# KiCad board armory.kicad_pcb
title: USB armory Mk II LAN; date: 2023-10-02; rev: β; company: WithSecure; note: Copyright (c) The USB armory authors; note: License: CERN-OHL-S; note: https://github.com/usbarmory/usbarmory
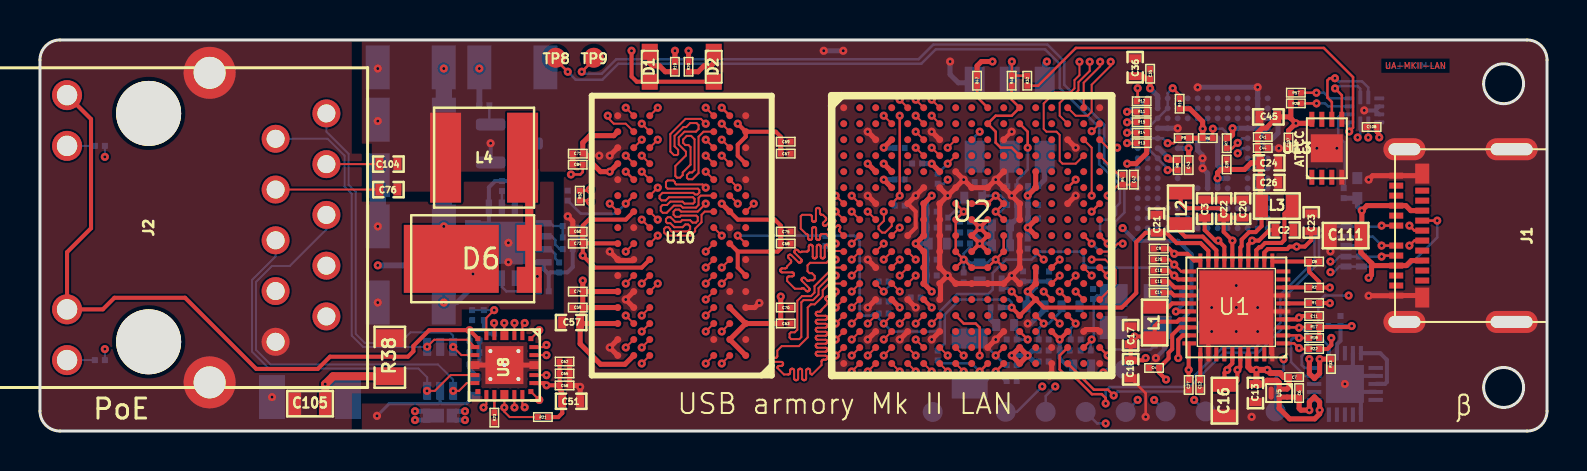
[diagram p0: board, top side]
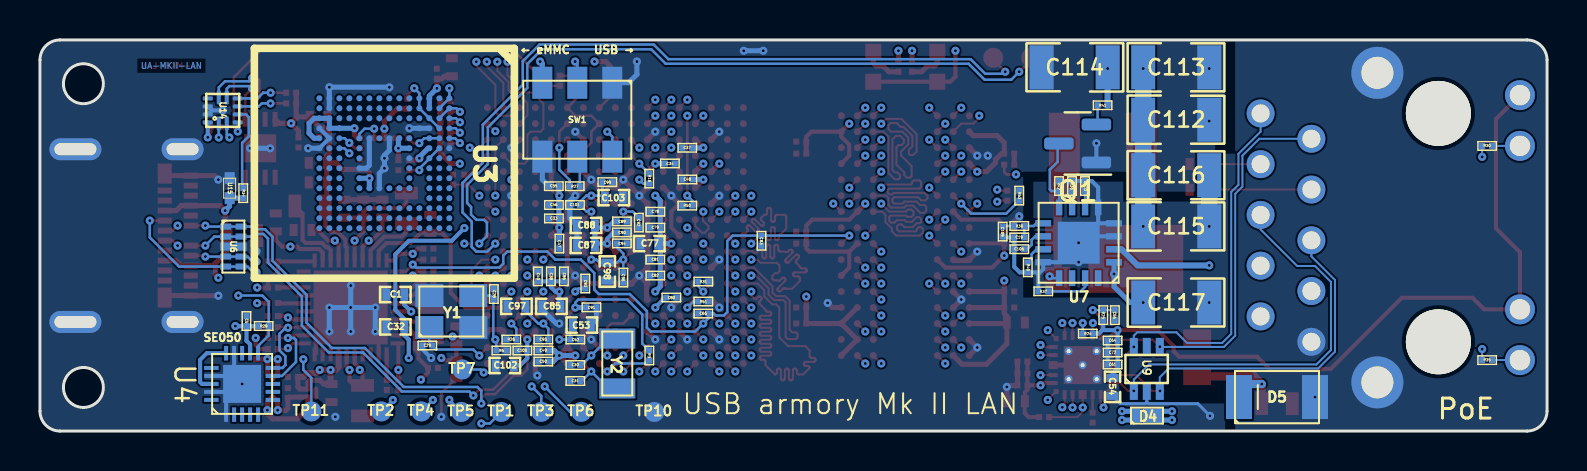
[diagram p1: board, bottom side, seen from below]

Outline 75.36 x 19.57 mm; copper layers: TOP, SIGNAL_1, GND_POWER_1 (plane), GND_POWER_2 (plane), SIGNAL_2, BOTTOM. Coordinates in mm from the lower left corner of the outline.
Outline path: circle c73.19,17.38 r1 ; circle c73.19,2.18 r1 ; 0,18.57 0,1 arc(0.29,0.29) 1,0 74.37,0 arc(75.07,0.29) 75.36,1 75.36,18.57 arc(75.07,19.28) 74.37,19.57 1,19.57 arc(0.29,19.28) 0,18.57
Stack: TOP 0.03mm / dielectric 0.121mm FR4 er 4.5 / SIGNAL_1 0.017mm / dielectric 0.125mm FR4 er 4.5 / GND_POWER_1 0.017mm / dielectric 0.116mm FR4 er 4.5 / GND_POWER_2 0.017mm / dielectric 0.125mm FR4 er 4.5 / SIGNAL_2 0.017mm / dielectric 0.121mm FR4 er 4.5 / BOTTOM 0.03mm

## Placement (name value [footprint] x y rotation side)
C1  4.7uF  [SM0402]  57.59 6.83 0 bottom
C2  4.7uF  [SM0402]  62.23 10.06 0 top
C3  4.7uF  [SM0402]  58.24 11.13 90 top
C4  1uF  [SM0201]  55.71 3.16 180 top
C5  0.1uF  [SM0201]  65.04 5.5 90 bottom
C6  0.1uF  [SM0201]  62.97 1.9 90 top
C7  0.1uF  [SM0201]  62.72 2.7 0 top
C8  1uF  [SM0201]  63.72 8.48 0 top
C9  1uF  [SM0201]  55.94 9.13 180 top
C10  1uF  [SM0201]  55.94 8.03 180 top
C11  0.1uF  [SM0201]  63.72 5.75 0 top
C12  0.1uF  [SM0201]  58.02 2.3 270 top
C13  2.2uF  [SM0402]  60.78 1.9 270 top
C14  1uF  [SM0201]  55.94 6.93 180 top
C15  1uF  [SM0201]  55.94 7.48 180 top
C16  47uF  [SM0603]  59.23 1.52 270 top
C17  10uF  [SM0402]  54.54 4.79 90 top
C18  10uF  [SM0402]  54.54 3.09 270 top
C19  47pF  [SM0201]  26.39 9.69 0 bottom
C20  10uF  [SM0402]  60.14 11.13 90 top
C21  10uF  [SM0402]  55.84 10.37 90 top
C22  10uF  [SM0402]  59.19 11.13 90 top
C23  4.7uF  [SM0402]  63.57 10.44 90 top
C24  10uF  [SM0402]  61.47 13.42 0 top
C25  1uF  [SM0201]  55.94 8.58 180 top
C26  10uF  [SM0402]  61.47 12.44 0 top
C27  0.47uF  [SM0201]  57.44 2.3 270 top
C28  16pF  [SM0201]  52.67 6.86 90 bottom
C29  16pF  [SM0201]  55.99 4.28 0 bottom
C30  18pF  [SM0201]  48.59 3.3 0 bottom
C31  18pF  [SM0201]  48.59 2.5 0 bottom
C32  10uF  [SM0402]  57.59 5.21 0 bottom
C33  0.22uF  [SM0201]  49.66 10.64 0 bottom
C34  0.22uF  [SM0201]  43.86 13.39 180 bottom
C35  0.1uF  [SM0201]  55.52 17.88 90 top
C36  4.7uF  [SM0402]  54.77 18.2 90 top
C37  0.22uF  [SM0201]  42.99 14.18 0 bottom
C38  1uF  [SM0201]  49.81 7.74 90 bottom
C39  0.1uF  [SM0201]  59.34 13.34 90 top
C40  0.1uF  [SM0201]  50.46 7.74 90 bottom
C41  0.1uF  [SM0201]  61.15 14.72 0 top
C42  18pF  [SM0201]  54.7 12.58 90 top
C43  0.1uF  [SM0201]  57.44 13.3 270 top
C44  0.1uF  [SM0201]  61.15 14.16 0 top
C45  10uF  [SM0402]  61.43 15.72 180 top
C46  0.22uF  [SM0201]  49.66 11.31 0 bottom
C47  0.22uF  [SM0201]  49.39 9.38 270 bottom
C48  0.22uF  [SM0201]  42.99 12.59 0 bottom
C49  1uF  [SM0201]  50.19 4.03 0 bottom
C50  1uF  [SM0201]  50.19 3.48 0 bottom
C51  10uF  [SM0402]  26.56 1.49 0 top
C52  0.1uF  [SM0201]  48.59 4.58 180 bottom
C53  10uF  [SM0402]  48.27 5.3 180 bottom
C54  10uF  [SM0402]  21.72 2.21 270 bottom
C55  0.22uF  [SM0201]  49.67 12.25 0 bottom
C56  0.1uF  [SM0201]  21.61 5.8 270 bottom
C57  22uF  [SM0402]  26.56 5.43 180 top
C58  1uF  [SM0201]  26.23 2.28 0 top
C59  0.22uF  [SM0201]  26.89 6.18 180 top
C60  0.22uF  [SM0201]  26.89 9.98 180 top
C61  1uF  [SM0201]  21.72 3.33 0 bottom
C62  0.1uF  [SM0201]  26.23 3.48 0 top
C63  0.22uF  [SM0201]  37.29 5.38 0 top
C64  0.1uF  [SM0201]  21.72 4.53 0 bottom
C65  0.01uF  [SM0201]  26.23 2.88 0 top
C66  0.22uF  [SM0201]  42.19 5.88 0 bottom
C67  0.22uF  [SM0201]  37.29 13.88 0 top
C68  0.22uF  [SM0201]  37.29 9.38 0 top
C69  0.22uF  [SM0201]  37.29 14.48 0 top
C70  0.22uF  [SM0201]  37.29 6.18 0 top
C71  0.22uF  [SM0201]  26.89 13.88 180 top
C72  0.01uF  [SM0201]  21.72 3.93 0 bottom
C73  0.22uF  [SM0201]  26.89 9.38 180 top
C74  0.22uF  [SM0201]  26.89 6.98 180 top
C75  0.22uF  [SM0201]  37.29 9.98 0 top
C76  0.1uF  [SM0402]  17.42 12.08 0 top
C77  22uF  [SM0402]  44.89 9.38 0 bottom
C78  0.22uF  [SM0201]  44.59 10.98 0 bottom
C79  0.22uF  [SM0201]  44.59 10.18 0 bottom
C80  0.22uF  [SM0201]  43.79 6.68 180 bottom
C81  0.22uF  [SM0201]  44.59 8.58 0 bottom
C82  0.22uF  [SM0201]  44.59 7.78 0 bottom
C83  0.22uF  [SM0201]  39.28 9.52 270 bottom
C84  0.22uF  [SM0201]  26.89 13.33 180 top
C85  4.7uF  [SM0402]  49.79 6.24 0 bottom
C86  0.22uF  [SM0201]  49.16 7.74 90 bottom
C87  22uF  [SM0402]  48.06 9.29 0 bottom
C88  4.7uF  [SM0402]  48.06 10.29 0 bottom
C89  0.22uF  [SM0201]  46.26 10.49 180 bottom
C90  0.22uF  [SM0201]  46.26 9.94 180 bottom
C91  0.22uF  [SM0201]  47.79 6.19 180 bottom
C92  0.22uF  [SM0201]  45.42 10.43 270 bottom
C93  0.22uF  [SM0201]  48.09 7.38 90 bottom
C94  0.22uF  [SM0201]  46.26 9.39 180 bottom
C95  0.22uF  [SM0201]  50.19 4.58 0 bottom
C96  0.22uF  [SM0201]  46.19 7.68 270 bottom
C97  10uF  [SM0402]  51.54 6.24 0 bottom
C98  22uF  [SM0402]  46.99 7.98 270 bottom
C99  0.22uF  [SM0201]  46.99 12.45 180 bottom
C100  0.22uF  [SM0201]  51.24 4.03 0 bottom
C101  0.22uF  [SM0201]  48.61 11.31 0 bottom
C102  10uF  [SM0402]  52.12 3.28 0 bottom
C103  22uF  [SM0402]  46.67 11.68 180 bottom
C104  0.1uF  [SM0402]  17.42 13.36 0 top
C105  0.068uF  [SM0603]  13.51 1.37 180 top
C106  1uF  [SM0201]  26.39 9.1 0 bottom
C107  0.1uF  [SM0201]  62.44 14.44 270 top
C108  0.1uF  [SM0201]  66.59 15.22 180 top
C109  0.01uF  [SM0201]  27.22 9.98 270 bottom
C110  1uF  [SM0201]  23.1 12.26 90 bottom
C111  4.7uF  [SM0603]  65.29 9.78 180 top
C112  47uF  [SM1210]  18.54 15.58 180 bottom
C113  47uF  [SM1210]  18.54 18.2 180 bottom
C114  47uF  [SM1210]  23.62 18.2 0 bottom
C115  4.7uF  [SM1210]  18.54 10.24 180 bottom
C116  4.7uF  [SM1210]  18.54 12.8 180 bottom
C117  4.7uF  [SM1210]  18.54 6.43 180 bottom
D1  WHITE  [SM0603_LED]  30.49 18.23 270 top
D2  BLUE  [SM0603_LED]  33.69 18.23 270 top
D4  NSR20F30NXT5G  [DSN2]  19.95 0.77 180 bottom
D5  SMAJ58CA  [DO-214AC]  13.5 1.7 180 bottom
D6  CTLSH10-100L  [TLM364]  22.94 8.62 0 top
J1  USBC-RECEPTACLE  [MOLEX_105450-0101]  75.36 9.78 90 top
J2  7499210121A  [WURTH_7499210121A]  5.43 10.18 90 top
L1  1uH  [SM0603]  55.74 5.43 270 top
L2  1uH  [SM0603]  57.04 11.14 90 top
L3  1uH  [SM0603]  61.85 11.26 180 top
L4  47uH  [WE-LQS-5040]  22.21 13.68 180 top
Q1  MMBTA56  [SOT-23]  23.47 14.39 0 bottom
R1  100K  [SM0201]  63.72 6.41 180 top
R2  100K  [SM0201]  63.72 7.18 180 top
R3  10K  [SM0201]  44.89 3.78 270 bottom
R4  10R  [SM0201]  54.14 12.58 90 top
R5  2.2M  [SM0201]  52.29 4.03 180 bottom
R6  10K  [SM0201]  58.4 14.66 0 top
R7  10K  [SM0201]  59.34 14.41 270 top
R8  10K  [SM0201]  56.89 13.3 270 top
R9  10K  [SM0201]  57.19 14.66 180 top
R10  10K  [SM0201]  56.99 16.38 90 top
R11  10K  [SM0201]  55.09 15.98 180 top
R12  10K  [SM0201]  55.09 16.5 180 top
R13  10K  [SM0201]  55.09 14.41 180 top
R14  10K  [SM0201]  55.09 14.93 180 top
R15  10K  [SM0201]  55.09 15.45 180 top
R16  22R  [SM0201]  44.89 12.63 90 bottom
R17  4.7K  [SM0201]  63.72 5.2 180 top
R18  4.7K  [SM0201]  63.72 4.66 180 top
R19  1K8  [SM0201]  31.75 18.23 90 top
R20  680R  [SM0201]  32.43 18.23 90 top
R21  2.2K  [SM0201]  25.15 0.7 0 top
R22  100K  [SM0201]  63.72 4.11 180 top
R23  6.49K  [SM0201]  22.72 0.67 90 top
R24  2.2K  [SM0201]  22.97 4.88 180 bottom
R25  10K  [SM0201]  22.19 5.8 270 bottom
R26  10K  [SM0201]  51.79 4.58 0 bottom
R27  10K  [SM0201]  48.62 12.25 180 bottom
R28  10K  [SM0201]  62.8 16.39 0 top
R29  10K  [SM0201]  64.18 5.25 180 bottom
R30  220R  [SM0201]  2.99 14.27 0 bottom
R31  10K  [SM0201]  42.19 7.48 180 bottom
R32  10K  [SM0201]  49.37 17.53 90 top
R33  100K  [SM0201]  64.56 3.35 270 top
R34  1M  [SM0201]  65.2 11.91 90 bottom
R35  220R  [SM0201]  2.99 3.55 0 bottom
R36  301K  [SM0201]  23.75 12.26 270 bottom
R37  68.1K  [SM0201]  25.19 6.99 180 bottom
R38  25.5K  [SM0805]  17.49 3.69 270 top
R39  30.1K  [SM0201]  26.39 10.26 180 bottom
R40  120K  [SM0201]  25.96 8.19 90 bottom
R41  120K  [SM0201]  22.22 16.3 180 bottom
R42  49.9K  [SM0201]  24.4 12.26 270 bottom
R47  10K  [SM0201]  46.86 17.53 90 top
R48  10K  [SM0201]  48.59 17.53 90 top
R50  10K  [SM0201]  42.99 11.28 0 bottom
R51  240R  [SM0201]  42.19 6.48 180 bottom
R52  470R  [SM0201]  26.99 11.78 90 top
R53  240R  [SM0201]  26.39 11.78 90 bottom
R57  10K  [SM0201]  62.8 16.93 0 top
SW1  CAS-220TA  [CAS-220-A]  48.49 15.58 0 bottom
TP1  TestPoint  [TST]  52.29 0.95 0 bottom
TP2  TestPoint  [TST]  58.29 0.98 0 bottom
TP3  TestPoint  [TST]  50.29 0.96 0 bottom
TP4  TestPoint  [TST]  56.29 0.98 0 bottom
TP5  TestPoint  [TST]  54.29 0.95 0 bottom
TP6  TestPoint  [TST]  48.29 0.96 0 bottom
TP7  TestPoint  [TST]  54.24 3.08 0 bottom
TP8  TestPoint  [TST]  25.79 18.68 0 top
TP9  TestPoint  [TST]  27.69 18.68 0 top
TP10  TestPoint  [TST]  44.64 0.95 0 bottom
TP11  TestPoint  [TST]  61.79 0.98 0 bottom
U1  MC34PF1510A6EP  [SOT1369-4]  59.83 6.19 180 top
U2  MX6UL-VM  [SOT1534-2]  46.59 9.78 0 top
U3  EMMC16G  [FBGA-153]  58.14 13.4 270 bottom
U4  SE050  [SOT1969-1]  65.26 2.36 90 bottom
U5  FPF2286UCX  [WLCSP-6]  61.97 1.9 270 top
U6  TPD4E05U06  [DQA-USON-10]  65.69 9.23 270 bottom
U7  KTA1136  [TQFN44-16]  23.42 9.42 0 bottom
U8  DP83825I  [XCVR_DP83825IRMQR]  23.22 3.3 270 top
U9  TPD4E1U06  [SOT-65]  20.01 3.11 90 bottom
U10  MT41K256M16  [MICRON-FBGA-96]  36.59 16.78 180 top
U13  ATECC608B-DNP  [UDFN-8]  64.35 14.15 0 top
U14  TUSB320  [RWB-QFN-12]  66.22 16.05 90 bottom
U15  TPD1E10B06  [X1SON-2]  65.88 12.16 90 bottom
Y1  24MHz  [TSX-3225]  54.79 5.98 180 bottom
Y2  32.768kHz  [CM7V-T1A]  46.49 3.38 270 bottom

## Library data of the parts
C1-C3 C23 C36 C85 C88 = -: Description: Unpolarized capacitor; Desc: X5R, 20%, 10V; FP: 0402; Mfg: Murata Electronics North America; Mfg PN: ZRB15XR61A475ME01D; Rating: 10V/20%; Supplier: Digikey; Supplier PN: 490-10984-1-ND
C4 C8-C10 C14 C15 C25 C38 C49 C50 C58 C61 = -: Description: Unpolarized capacitor; Alternative PN: CL03A105KP3NSNC; Desc: X5R, 20%, 10V; FP: 0201; Mfg: Murata Electronics North America; Mfg PN: GRM033R61A105ME15D; Rating: 10V/20%; Supplier: Digikey; Supplier PN: 490-13226-2-ND
C5 C7 C11 C12 C35 C39-C41 C43 C44 C52 C56 C62 C64 C108 = -: Description: Unpolarized capacitor; Desc: X5R, 20%, 10V; FP: 0201; Mfg: Murata Electronics North America; Mfg PN: GRM033R61A104ME15D; Rating: 10V/20%; Supplier: Digikey; Supplier PN: 490-5405-2-ND
C6 = -: Description: Unpolarized capacitor; Desc: X5R, 10%, 35V; FP: 0201; Mfg: Murata Electronics North America; Mfg PN: GRM033R61A104ME15D; Rating: 35V/10%; Supplier: Digikey; Supplier PN: 490-10430-2-ND
C13 = -: Description: Unpolarized capacitor; Alternative PN: GRT155R61E225KE13D; Desc: X5R, 20%, 25V; FP: 0402; Mfg: Murata Electronics North America; Mfg PN: GRM155R61E225ME15D; Rating: 25V/20%; Supplier: Digikey; Supplier PN: 490-10457-1-ND
C16 = -: Description: Unpolarized capacitor; Alternative PN: 06036D476MAT2A; Desc: X5R, 20%, 6.3V; FP: 0603; Mfg: Murata Electronics North America; Mfg PN: GRM188R60J476ME15D; Rating: 6.3V/20%; Supplier: Digikey; Supplier PN: 490-13247-1-ND
C17 C18 C20-C22 C24 C26 C32 C45 C51 C53 C54 C97 C102 = -: Description: Unpolarized capacitor; Desc: X5R, 20%, 10V; FP: 0402; Mfg: Samsung Electro-Mechanics; Mfg PN: CL05A106MP8NUB8; Rating: 10V/20%; Supplier: Digikey; Supplier PN: 1276-6830-1-ND
C19 = -: Description: Unpolarized capacitor; Desc: C0G, 5%, 50V; FP: 0201; Mfg: Murata Electronics; Mfg PN: GRM0335C1H470JA01D; Rating: 50V/5%; Supplier: Digikey; Supplier PN: 490-6129-6-ND
C27 = -: Description: Unpolarized capacitor; Desc: X5R, 20%, 6.3V; FP: 0201; Mfg: Murata Electronics North America; Mfg PN: GRM033R60J474ME90D; Rating: 6.3V/20%; Supplier: Digikey; Supplier PN: 490-10410-2-ND
C28 C29 = -: Description: Unpolarized capacitor; Desc: C0G, 1%, 25V; FP: 0201; Mfg: KEMET; Mfg PN: CBR02C160F3GAC; Rating: 25V/1%; Supplier: Digikey; Supplier PN: 399-8574-1-ND
C30 C31 C42 = -: Description: Unpolarized capacitor; Alternative PN: GRM0335C1H180GA01D; Desc: C0G, 5%, 50V; FP: 0201; Mfg: Murata Electronics North America; Mfg PN: GRM0335C1H180JA01D; Rating: 50V/5%; Supplier: Digikey; Supplier PN: 490-6117-2-ND
C33 C34 C37 C46-C48 C55 C59 C60 C63 C66-C71 C73-C75 C78-C84 C86 C89-C96 C99-C101 = -: Description: Unpolarized capacitor; Desc: X5R, 20%, 6.3V; FP: 0201; Mfg: Murata Electronics North America; Mfg PN: GRM033R60J224ME15D; Rating: 6.3V/20%; Supplier: Digikey; Supplier PN: 490-10407-1-ND
C57 C77 C87 C98 C103 = -: Description: Unpolarized capacitor; Alternative PN: CL05A226MQ6ZUN8; Desc: X5R, 20%, 6.3V; FP: 0402; Mfg: Murata Electronics North America; Mfg PN: CL05A226MQ5N6J8; Rating: 6.3V/20%; Supplier: Digikey; Supplier PN: 1276-7090-2-ND
C65 C72 = -: Description: Unpolarized capacitor; Desc: X7R, 20%, 10V; FP: 0201; Mfg: Murata Electronics; Mfg PN: GCM033R71A103MA03D; Rating: 10V/20%; Supplier: Digikey; Supplier PN: 490-GCM033R71A103MA03DDKR-ND
C76 C104 = -: Description: Unpolarized capacitor; Desc: X5R, 20%, 100V; FP: 0402; Mfg: Murata Electronics; Mfg PN: GRM155R62A104ME14D; Rating: 100V/20%; Supplier: Digikey; Supplier PN: 490-10459-2-ND
C105 = -: Description: Unpolarized capacitor; Desc: X7S, 10%, 100V; FP: 0603; Mfg: TDK Corporation; Mfg PN: C1608X7S2A683K080AB; Rating: 100V/10%; Supplier: Digikey; Supplier PN: 445-6034-6-ND
C106 C110 = -: Description: Unpolarized capacitor; Desc: X5R, 20%, 16V; FP: 0201; Mfg: Murata Electronics; Mfg PN: GRM033R61C105ME15D; Rating: 16V/20%; Supplier: Digikey; Supplier PN: 490-18654-2-ND
C107 = -: Description: Unpolarized capacitor; DNP: DNP; Desc: X5R, 20%, 10V; FP: 0201; Mfg: Murata Electronics North America; Mfg PN: GRM033R61A104ME15D; Rating: 10V/20%; Supplier: Digikey; Supplier PN: 490-5405-2-ND
C109 = -: Description: Unpolarized capacitor; Desc: X7R, 10%, 16V; FP: 0201; Mfg: Murata Electronics; Mfg PN: GRM033R71C103KE14D; Rating: 16V/10%; Supplier: Digikey; Supplier PN: 490-14453-2-ND
C111 = -: Description: Unpolarized capacitor; Desc: X5R, 10%, 35V; FP: 0603; Mfg: Murata Electronics North America; Mfg PN: GRM188R6YA475KE15D; Rating: 35V/10%; Supplier: Digikey; Supplier PN: 490-7205-1-ND
C112-C114 = -: Description: Unpolarized capacitor; Desc: X5R, 10%, 16V; FP: 1210; Mfg: Murata Electronics; Mfg PN: GRM32ER61C476KE15K; Rating: 16V/10%; Supplier: Digikey; Supplier PN: 490-6538-2-ND
C115-C117 = -: Description: Unpolarized capacitor; Desc: X7R, 10%, 100V; FP: 1210; Mfg: Samsung Electro-Mechanics; Mfg PN: CL32B475KCVZW6E; Rating: 100V/10%; Supplier: Digikey; Supplier PN: 1276-7060-2-ND
D1 = -: Description: Light emitting diode; Desc: LED, white; Mfg: OSRAM Opto Semiconductors Inc.; Mfg PN: LW Q38E-Q1OO-3K6L-1; Rating: 5mA/2.85V; Supplier: Digikey; Supplier PN: 475-2831-2-ND
D2 = -: Description: Light emitting diode; Desc: LED, blue; Mfg: OSRAM Opto Semiconductors Inc.; Mfg PN: LB Q39G-L2OO-35-1; Rating: 5mA/2.85V; Supplier: Digikey; Supplier PN: 475-2816-2-ND
D4 = -: Description: Schottky diode; Desc: Schottky, 30V, 2.0A, 480mV@2A; Mfg: ON Semiconductor; Rating: 30V/2.0A/480mV@2A; Supplier: Digikey; Supplier PN: NSR20F30NXT5GOSTR-ND
D5 = -: Description: Bidirectional transient-voltage-suppression diode; Desc: TVS diode, 58V; Mfg: Bourns Inc.; Supplier: Digikey; Supplier PN: SMAJ58CABDKR-ND
D6 = -: Description: Schottky diode, anode on pins 1 and 2; Desc: Diode Schottky 100V 10A; Mfg: Central Semiconductor Corp; Mfg PN: CTLSH10-100L TR13 PBFREE; Supplier: Digikey; Supplier PN: 3372-SB10100LTR-ND
J1 = -: Desc: Type-C Receptacle; Mfg: Molex; Mfg PN: 105450-0101; Supplier: Digikey; Supplier PN: WM12856TR-ND
J2 = -: Desc: RJ45 connector; Mfg: Würth Elektronik; Supplier: Digikey; Supplier PN: 732-4974-ND
L1-L3 = -: Description: Inductor; Desc: 20%, 1.7A, 128 mOhm; FP: 0603; Mfg: Murata Electronics North America; Mfg PN: DFE18SAN1R0MG0L; Rating: 1.7A/20%/128mOhm; Supplier: Digikey; Supplier PN: 490-16577-1-ND
L4 = -: Description: Inductor; Desc: 20%, 1A, 272 mOhm; FP: WE-PD; Mfg: Würth Elektronik; Mfg PN: 74404054470; Rating: 1A/20%/272mOhm; Supplier: Digikey; Supplier PN: 732-5524-6-ND
Q1 = -: Description: 0.5A Ic, 300V Vce, PNP High Voltage Transistor, SOT-23; Desc: PNP Driver Transistor; Mfg: Onsemi; Mfg PN: MMBTA56LT1G; Supplier: Digikey; Supplier PN: MMBTA56LT1GOSTR-ND
R1 R2 R22 R33 = -: Description: Resistor; Desc: 5%, 50mW; FP: 0201; Mfg: Vishay Dale; Mfg PN: CRCW0201100KJNED; Rating: 50mW/1%; Supplier: Digikey; Supplier PN: 541-100KAGTR-ND
R3 R6-R15 R26-R29 R31 R32 R47 R48 R50 R57 = -: Description: Resistor; Desc: 5%, 50mW; FP: 0201; Mfg: Vishay Dale; Mfg PN: CRCW020110K0JNED; Rating: 50mW/1%; Supplier: Digikey; Supplier PN: 541-10KAGTR-ND
R4 = -: Description: Resistor; Desc: 5%, 50mW; FP: 0201; Mfg: Vishay Dale; Mfg PN: CRCW020110R0JNED; Rating: 50mW/1%; Supplier: Digikey; Supplier PN: 541-10AGDKR-ND
R5 = -: Description: Resistor; Desc: 5%, 50mW; FP: 0201; Mfg: Yageo; Mfg PN: RC0201JR-072M2L; Rating: 50mW/5%; Supplier: Digikey; Supplier PN: YAG2882TR-ND
R16 = -: Description: Resistor; Desc: 5%, 50mW; FP: 0201; Mfg: Vishay Dale; Mfg PN: CRCW020122R0JNED; Rating: 50mW/1%; Supplier: Digikey; Supplier PN: 541-22AGTR-ND
R17 R18 = -: Description: Resistor; Desc: 5%, 50mW; FP: 0201; Mfg: Vishay Dale; Mfg PN: CRCW02014K70JNED; Rating: 50mW/1%; Supplier: Digikey; Supplier PN: 541-4.7KAGTR-ND
R19 = -: Description: Resistor; Desc: 1%, 50mW; FP: 0201; Mfg: Panasonic Electronic Components; Mfg PN: ERJ-1GNF1801C; Rating: 50mW/1%; Supplier: Digikey; Supplier PN: P122788CT-ND
R20 = -: Description: Resistor; Desc: 1%, 50mW; FP: 0201; Mfg: Panasonic Electronic Components; Mfg PN: ERJ-1GNF6800C; Rating: 50mW/1%; Supplier: Digikey; Supplier PN: P123124CT-ND
R21 R24 = -: Description: Resistor; Desc: 5%, 50mW; FP: 0201; Mfg: Vishay Dale; Mfg PN: CRCW02012K20JNED; Rating: 50mW/5%; Supplier: Digikey; Supplier PN: 541-2.2KAGDKR-ND
R23 = -: Description: Resistor; Desc: 1%, 50mW; FP: 0201; Mfg: Vishay Dale; Mfg PN: CRCW02016K49FNED; Rating: 50mW/1%; Supplier: Digikey; Supplier PN: 541-CRCW02016K49FNEDTR-ND
R25 = -: Description: Resistor; Desc: 5%, 50mW; FP: 0201; Mfg: Vishay Dale; Mfg PN: CRCW020110K0JNED; Rating: 50mW/5%; Supplier: Digikey; Supplier PN: 541-10KAGTR-ND
R30 R35 = -: Description: Resistor; Desc: 1%, 50mW; FP: 0201; Mfg: Vishay Dale; Mfg PN: CRCW0201220RFNED; Rating: 50mW/1%; Supplier: Digikey; Supplier PN: 541-CRCW0201220RFNEDDKR-ND
R34 = -: Description: Resistor; Desc: 1%, 50mW; FP: 0201; Mfg: Vishay Dale; Mfg PN: CRCW02011M00FKED; Rating: 50mW/1%; Supplier: Digikey; Supplier PN: 541-1.00MAABTR-ND
R36 = -: Description: Resistor; Desc: 1%, 50mW; FP: 0201; Mfg: Panasonic Electronic Components; Mfg PN: ERJ-1GNF3013C; Rating: 50mW/1%; Supplier: Digikey; Supplier PN: P122918TR-ND
R37 = -: Description: Resistor; Desc: 1%, 50mW; FP: 0201; Mfg: Panasonic Electronic Components; Mfg PN: ERJ-1GNF6812C; Rating: 50mW/1%; Supplier: Digikey; Supplier PN: P123130DKR-ND
R38 = -: Description: Resistor; Desc: 1%, 250mW; FP: 0805; Mfg: KOA Speer Electronics, Inc.; Mfg PN: RK73H2ATTD2552F; Rating: 250mW/1%; Supplier: Digikey; Supplier PN: 2019-RK73H2ATTD2552FTR-ND
R39 = -: Description: Resistor; Desc: 1%, 50mW; FP: 0201; Mfg: Panasonic Electronic Components; Mfg PN: ERJ-1GNF3012C; Rating: 50mW/1%; Supplier: Digikey; Supplier PN: P122917DKR-ND
R40 R41 = -: Description: Resistor; Desc: 1%, 50mW; FP: 0201; Mfg: Panasonic Electronic Components; Mfg PN: ERJ-1GNF1203C; Rating: 50mW/1%; Supplier: Digikey; Supplier PN: P122695DKR-ND
R42 = -: Description: Resistor; Desc: 1%, 50mW; FP: 0201; Mfg: Panasonic Electronic Components; Mfg PN: ERJ-1GNF4992C; Rating: 50mW/1%; Supplier: Digikey; Supplier PN: P123047TR-ND
R51 R53 = -: Description: Resistor; Desc: 1%, 50mW; FP: 0201; Mfg: Vishay Dale; Mfg PN: CRCW0201240RFNED; Rating: 50mW/1%; Supplier: Digikey; Supplier PN: 541-2949-2-ND
R52 = -: Description: Resistor; Desc: 5%, 50mW; FP: 0201; Mfg: Vishay Dale; Mfg PN: CRCW0201470RJNED; Rating: 50mW/5%; Supplier: Digikey; Supplier PN: 541-470AGCT-ND
SW1 = -: Description: Switch, dual pole double throw, separate symbols; Desc: DPDT slide switch; Mfg: Nidec Copal Electronics; Supplier: Digikey; Supplier PN: CAS220JTR-ND
TP1-TP11 = -: Description: test point
U1 = -: Alternative PN: MC32PF1510A6EP; Desc: PMIC; Mfg: NXP; Supplier: Digikey; Supplier PN: 568-14653-1-ND
U2 = -: Desc: SoC; Mfg: NXP; Mfg PN: MCIMX6Y2DVM09AB; Supplier: Digikey; Supplier PN: 568-14995-ND
U3 = -: Alternative PN: FEMDNN016G-58A43, FEMDRM016G-58A43; Desc: eMMC 16GB; Mfg: Kingston; Mfg PN: EMMC16G-TB29-PZ90; Supplier: Avnet; Supplier PN: -
U4 = -: Desc: Secure Element; Mfg: NXP; Mfg PN: SE050C1HQ1/Z01SCZ; Supplier: Digikey; Supplier PN: 568-15377-2-ND
U5 = -: Alternative PN: KTS1670EUN-TR, KTS1671EUN-TR; Desc: OVP; Mfg: ON Semiconductor; Supplier: Digikey; Supplier PN: FPF2286UCXOSCT-ND
U6 = -: Alternative PN: TPD4E05U06QDQARQ1; Desc: ESD protection; Mfg: Texas Instruments; Mfg PN: TPD4E05U06DQAR; Supplier: Digikey; Supplier PN: 296-35765-2-ND
U7 = -: Desc: PoE PD Controller; Mfg: Kinetic Technologies; Mfg PN: KTA1136EUAE-TR; Supplier: Mouser; Supplier PN: 389-KTA1136EUAE-TR
U8 = -: Alternative PN: DP83825IRMQT; Desc: Ethernet PHY; Mfg: Texas Instruments; Mfg PN: DP83825IRMQR; Supplier: Digikey; Supplier PN: 296-DP83825IRMQTTR-ND
U9 = -: Desc: ESD protection; Mfg: Texas Instruments; Mfg PN: TPD4E1U06DCK; Supplier: Digikey; Supplier PN: 296-39347-2-ND
U10 = -: Alternative PN: MT41K256M16LY; Desc: DDR RAM; Mfg: Micron; Mfg PN: MT41K256M16TW-107:P; Supplier: Digikey; Supplier PN: 557-1792-ND
U13 = -: DNP: DNP; Desc: Secure Element; Mfg: Microchip; Mfg PN: ATECC608B-MAHDA; Supplier: Digikey; Supplier PN: ATECC608B-MAHDA-SCT-ND
U14 = -: Alternative PN: TUSB320RWBR; Desc: Type-C port controller; Mfg: Texas Instruments; Mfg PN: TUSB320IRWBR; Supplier: Digikey; Supplier PN: 296-42175-1-ND
U15 = -: Alternative PN: TPD1E10B06-Q1, TPD1E10B09, TPD1E10B09-Q1; Desc: ESD protection; Mfg: Texas Instruments; Mfg PN: TPD1E10B06DPYR; Supplier: Digikey; Supplier PN: 296-30406-1-ND
Y1 = -: Description: Four pin crystal, GND on pins 2 and 4; Alternative PN: TSX-3225 24.0000MF15X-AC6; Desc: 9 pF; Mfg: Epson; Mfg PN: TSX-3225 24.0000MF15X-AC3; Supplier: Digikey; Supplier PN: SER3635TR-ND
Y2 = -: Description: Two pin crystal; Alternative PN: CM7V-T1A-32.768kHz-12.5pF-20PPM-TA-QA; Desc: 12.5pF; Mfg: Micro Crystal; Mfg PN: CM7V-T1A-32.768kHz-12.5pF-20PPM-TA-QC; Supplier: Mouser; Supplier PN: 428-200458-MG01

## Footprints (pads in the part's own frame, mm; a bottom-side part is the same pattern mirrored in y, then rotated)
CAS-220-A
  rect 1x1.6 smd: 1(-1.75,-1.85) 2(0,-1.85) 3(1.75,-1.85) 4(-1.75,1.85) 5(0,1.85) 6(1.75,1.85)
CM7V-T1A
  rect 1x1.8 smd: 1(-1.25,0) 2(1.25,0)
DO-214AC
  rect 1.3x2.2 smd: 1(-1.9,0) 2(1.9,0)
DQA-USON-10
  rect 0.3x0.55 smd: 1(-1,-0.385) 2(-0.5,-0.385) 4(0.5,-0.385) 5(1,-0.385) 6(1,0.385) 7(0.5,0.385) 9(-0.5,0.385) 10(-1,0.385)
  rect 0.4x0.55 smd: 3(0,-0.385) 8(0,0.385)
DSN2
  rect 0.52x0.7 smd: 1(-0.64,0)
  rect 1.05x0.7 smd: 2(0.275,0)
FBGA-153
  round 0.3 smd: A1(-3.25,3.25) A2(-2.75,3.25) A3(-2.25,3.25) A4(-1.75,3.25) A5(-1.25,3.25) A6(-0.75,3.25) A7(-0.25,3.25) A8(0.25,3.25) A9(0.75,3.25) A10(1.25,3.25) A11(1.75,3.25) A12(2.25,3.25) A13(2.75,3.25) A14(3.25,3.25) B1(-3.25,2.75) B2(-2.75,2.75) B3(-2.25,2.75) B4(-1.75,2.75) B5(-1.25,2.75) B6(-0.75,2.75) B7(-0.25,2.75) B8(0.25,2.75) B9(0.75,2.75) B10(1.25,2.75) B11(1.75,2.75) B12(2.25,2.75) B13(2.75,2.75) B14(3.25,2.75) C1(-3.25,2.25) C2(-2.75,2.25) C3(-2.25,2.25) C4(-1.75,2.25) C5(-1.25,2.25) C6(-0.75,2.25) C7(-0.25,2.25) C8(0.25,2.25) C9(0.75,2.25) C10(1.25,2.25) C11(1.75,2.25) C12(2.25,2.25) C13(2.75,2.25) C14(3.25,2.25) D1(-3.25,1.75) D2(-2.75,1.75) D3(-2.25,1.75) D4(-1.75,1.75) D12(2.25,1.75) D13(2.75,1.75) D14(3.25,1.75) E1(-3.25,1.25) E2(-2.75,1.25) E3(-2.25,1.25) E5(-1.25,1.25) E6(-0.75,1.25) E7(-0.25,1.25) E8(0.25,1.25) E9(0.75,1.25) E10(1.25,1.25) E12(2.25,1.25) E13(2.75,1.25) E14(3.25,1.25) F1(-3.25,0.75) F2(-2.75,0.75) F3(-2.25,0.75) F5(-1.25,0.75) F10(1.25,0.75) F12(2.25,0.75) F13(2.75,0.75) F14(3.25,0.75) G1(-3.25,0.25) G2(-2.75,0.25) G3(-2.25,0.25) G5(-1.25,0.25) G10(1.25,0.25) G12(2.25,0.25) G13(2.75,0.25) G14(3.25,0.25) H1(-3.25,-0.25) H2(-2.75,-0.25) H3(-2.25,-0.25) H5(-1.25,-0.25) H10(1.25,-0.25) H12(2.25,-0.25) H13(2.75,-0.25) H14(3.25,-0.25) J1(-3.25,-0.75) J2(-2.75,-0.75) J3(-2.25,-0.75) J5(-1.25,-0.75) J10(1.25,-0.75) J12(2.25,-0.75) J13(2.75,-0.75) J14(3.25,-0.75) K1(-3.25,-1.25) K2(-2.75,-1.25) K3(-2.25,-1.25) K5(-1.25,-1.25) K6(-0.75,-1.25) K7(-0.25,-1.25) K8(0.25,-1.25) K9(0.75,-1.25) K10(1.25,-1.25) K12(2.25,-1.25) K13(2.75,-1.25) K14(3.25,-1.25) L1(-3.25,-1.75) L2(-2.75,-1.75) L3(-2.25,-1.75) L12(2.25,-1.75) L13(2.75,-1.75) L14(3.25,-1.75) M1(-3.25,-2.25) M2(-2.75,-2.25) M3(-2.25,-2.25) M4(-1.75,-2.25) M5(-1.25,-2.25) M6(-0.75,-2.25) M7(-0.25,-2.25) M8(0.25,-2.25) M9(0.75,-2.25) M10(1.25,-2.25) M11(1.75,-2.25) M12(2.25,-2.25) M13(2.75,-2.25) M14(3.25,-2.25) N1(-3.25,-2.75) N2(-2.75,-2.75) N3(-2.25,-2.75) N4(-1.75,-2.75) N5(-1.25,-2.75) N6(-0.75,-2.75) N7(-0.25,-2.75) N8(0.25,-2.75) N9(0.75,-2.75) N10(1.25,-2.75) N11(1.75,-2.75) N12(2.25,-2.75) N13(2.75,-2.75) N14(3.25,-2.75) P1(-3.25,-3.25) P2(-2.75,-3.25) P3(-2.25,-3.25) P4(-1.75,-3.25) P5(-1.25,-3.25) P6(-0.75,-3.25) P7(-0.25,-3.25) P8(0.25,-3.25) P9(0.75,-3.25) P10(1.25,-3.25) P11(1.75,-3.25) P12(2.25,-3.25) P13(2.75,-3.25) P14(3.25,-3.25)